# Altium PCB PCB1.PcbDoc
Units mm, origin at the board's own origin, x right, y up, seen from the top; angles counter-clockwise.
Board outline 169.9 x 91.7 mm, 2 copper layers (Top Layer, Bottom Layer); 33 components, 31 nets, 186 pads, 0 vias.
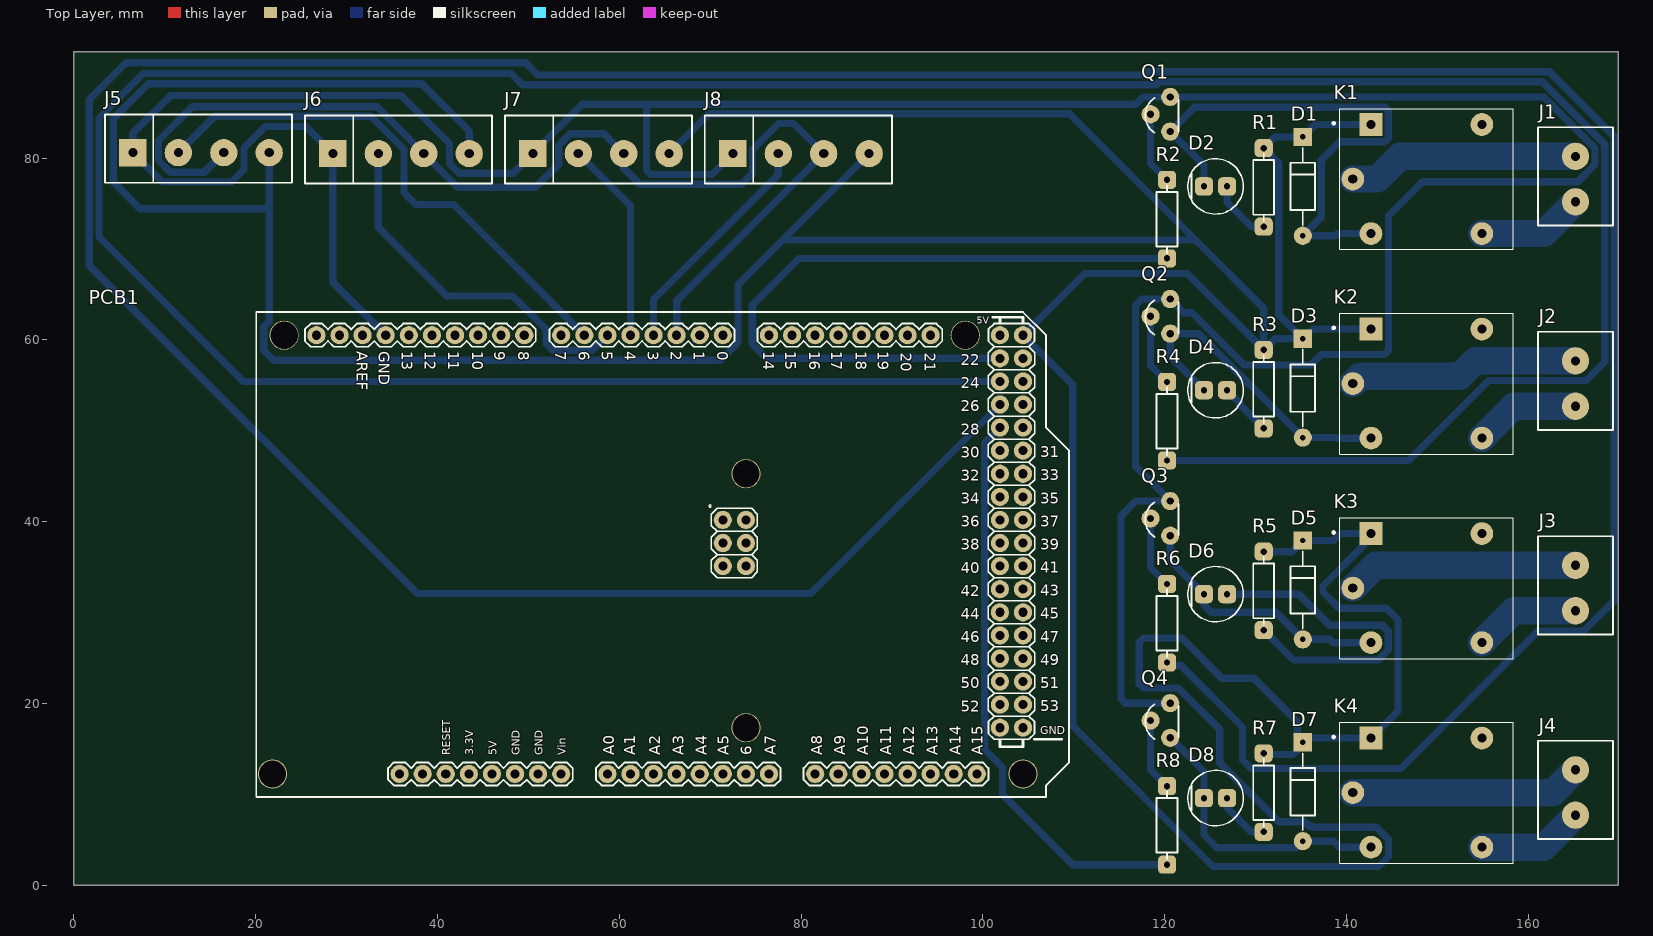
[diagram p0: Top Layer view]
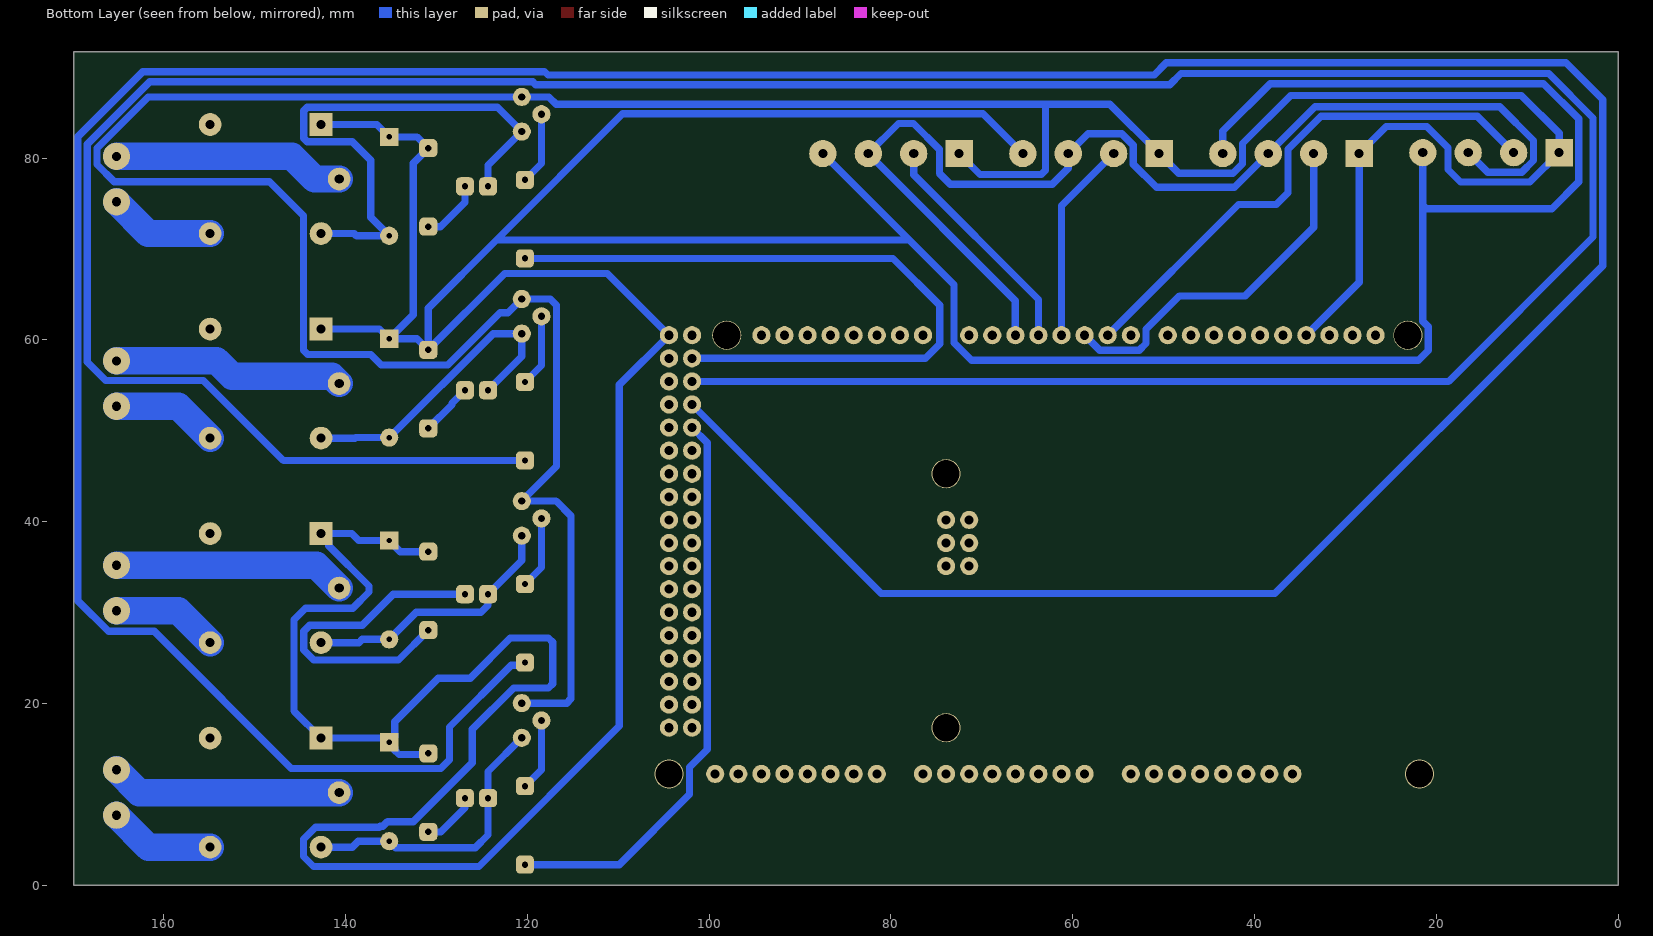
[diagram p1: Bottom Layer view, seen from below]

## Layer stack, top to bottom
Top Solder: solder mask 0.0102, Solder Resist, Dk 3.5
Top Layer: signal copper 0.0356
Dielectric 1: dielectric 0.32, FR-4, Dk 4.8
Bottom Layer: signal copper 0.0356
Bottom Solder: solder mask 0.0102, Solder Resist, Dk 3.5

## Board outline
0,0 0,91.7 169.9,91.7 169.9,0

## Design rules (kind name [scope] priority, off if disabled: settings)
Clearance [All] p1: gap=0.254 ignorepadtopadclearanceinfootprint=FALSE except(0: Arc-Hole Track-Hole SMDPad-Hole THPad-Hole Via-Hole Fill-Hole Poly-Hole Region-Hole Text-Hole)
PolygonConnect [All] p1: connectstyle=Relief reliefconductorwidth=0.254 reliefentries=4 polygonreliefangle="90 Angle" airgapwidth=0.254
RoutingVias [All] p1: holewidth=0.711 width=1.27 viastyle="Through Hole" minholewidth=0.711 minwidth=1.27 maxholewidth=0.711 maxwidth=1.27
SolderMaskExpansion [All] p1: expansion=0.102 istentingtop=FALSE
Width [All] p1: maxlimit=3 minlimit=0.8 preferedwidth=0.8 minimp=50.000000 maximp=50.000000 favimp=50.000000
30 further rules are at their usual default settings.

## Components (designator, comment, footprint, x,y, rotation, side; value= is the part's Value field where it differs from the comment)
D1 "1N4007" ON_Semiconductor_017AH_MFG 135.2,76.9 r270 top
D2 "Red Led 5mm" AVAGO_HLMP-3301_MFG 125.6,76.9 r0 top
D3 "1N4007" ON_Semiconductor_017AH_MFG 135.2,54.7 r270 top
D4 "Red Led 5mm" AVAGO_HLMP-3301_MFG 125.6,54.467 r0 top
D5 "1N4007" ON_Semiconductor_017AH_MFG 135.2,32.5 r270 top
D6 "Red Led 5mm" AVAGO_HLMP-3301_MFG 125.6,32.033 r0 top
D7 "1N4007" ON_Semiconductor_017AH_MFG 135.2,10.3 r270 top
D8 "Red Led 5mm" AVAGO_HLMP-3301_MFG 125.6,9.6 r0 top
J1 "TB 2pin" PHOENIX_CONTACT_1729018_0 165.2,77.985 r270 top
J2 "TB 2pin" PHOENIX_CONTACT_1729018_0 165.2,55.49 r270 top
J3 "TB 2pin" PHOENIX_CONTACT_1729018_0 165.2,32.995 r270 top
J4 "TB 2pin" PHOENIX_CONTACT_1729018_0 165.2,10.5 r270 top
J5 "TB 4pin" "TB 4PIN" 14,80.6 r90 top
J6 "TB 4pin" "TB 4PIN" 36,80.5 r90 top
J7 "TB 4pin" "TB 4PIN" 58,80.5 r90 top
J8 "TB 4pin" "TB 4PIN" 80,80.5 r90 top
K1 "Relay 5v" RELAY_SRD-05VDC-SL-C 148.8,77.7 r0 top
K2 "Relay 5v" RELAY_SRD-05VDC-SL-C 148.8,55.2 r0 top
K3 "Relay 5v" RELAY_SRD-05VDC-SL-C 148.8,32.7 r0 top
K4 "Relay 5v" RELAY_SRD-05VDC-SL-C 148.8,10.2 r0 top
PCB1 "Device for representing an Arduino Mega 2560 board with a footprint in an EAGLE design. Created by Dave Young for Element14. More EAGLE documentation at: http://www.element14.com/community/community/knode/cadsoft_eagle" ARDUINO_MEGA2560 7.9,9.72 r0 top
Q1 "Trans_Fairchild_BC547_eec" FAIRCHILD_BC547_0 119.6,84.7 r0 top
Q2 "Trans_Fairchild_BC547_eec" FAIRCHILD_BC547_0 119.6,62.471 r0 top
Q3 "Trans_Fairchild_BC547_eec" FAIRCHILD_BC547_0 119.6,40.242 r0 top
Q4 "Trans_Fairchild_BC547_eec" FAIRCHILD_BC547_0 119.6,18.013 r0 top
R1 "RES 1K OHM 1/4W" STACKPOLE_ELECTRONICS_INC._CF14JT1K00_0 130.9,76.782 r90 top value=1KΩ
R2 "RES 1K OHM 1/4W" STACKPOLE_ELECTRONICS_INC._CF14JT1K00_0 120.266,73.287 r90 top value=1KΩ
R3 "RES 1K OHM 1/4W" STACKPOLE_ELECTRONICS_INC._CF14JT1K00_0 130.9,54.588 r90 top value=1KΩ
R4 "RES 1K OHM 1/4W" STACKPOLE_ELECTRONICS_INC._CF14JT1K00_0 120.266,51.058 r90 top value=1KΩ
R5 "RES 1K OHM 1/4W" STACKPOLE_ELECTRONICS_INC._CF14JT1K00_0 130.9,32.394 r90 top value=1KΩ
R6 "RES 1K OHM 1/4W" STACKPOLE_ELECTRONICS_INC._CF14JT1K00_0 120.266,28.829 r90 top value=1KΩ
R7 "RES 1K OHM 1/4W" STACKPOLE_ELECTRONICS_INC._CF14JT1K00_0 130.9,10.2 r90 top value=1KΩ
R8 "RES 1K OHM 1/4W" STACKPOLE_ELECTRONICS_INC._CF14JT1K00_0 120.266,6.6 r90 top value=1KΩ

## Footprints (in the part's own frame and the unit in brackets; to place one, negate y for a bottom-side part, rotate by r counter-clockwise, add the part's x,y. Pads: shape width x height; smd on the part's side, far side on the other; paste and mask are expansions set on the pad)
ARDUINO_MEGA2560 [mm]
  round 2 hole 1: 0(63.5,50.8) 1(60.96,50.8) 2(58.42,50.8) 3(55.88,50.8) 3.3V(35.56,2.54) 4(53.34,50.8) 5(50.8,50.8) 5V(38.1,2.54) 5V.(93.98,50.8) 5V..(96.52,50.8) 6(48.26,50.8) 7(45.72,50.8) 8(41.656,50.8) 9(39.116,50.8) 10(36.576,50.8) 11(34.036,50.8) 12(31.496,50.8) 13(28.956,50.8) 14(68.58,50.8) 15(71.12,50.8) 16(73.66,50.8) 17(76.2,50.8) 18(78.74,50.8) 19(81.28,50.8) 20(83.82,50.8) 21(86.36,50.8) 22(93.98,48.26) 23(96.52,48.26) 24(93.98,45.72) 25(96.52,45.72) 26(93.98,43.18) 27(96.52,43.18) 28(93.98,40.64) 29(96.52,40.64) 30(93.98,38.1) 31(96.52,38.1) 32(93.98,35.56) 33(96.52,35.56) 34(93.98,33.02) 35(96.52,33.02) 36(93.98,30.48) 37(96.52,30.48) 38(93.98,27.94) 39(96.52,27.94) 40(93.98,25.4) 41(96.52,25.4) 42(93.98,22.86) 43(96.52,22.86) 44(93.98,20.32) 45(96.52,20.32) 46(93.98,17.78) 47(96.52,17.78) 48(93.98,15.24) 49(96.52,15.24) 50(93.98,12.7) 51(96.52,12.7) 52(93.98,10.16) 53(96.52,10.16) +5V_(66.04,30.48) A0(50.8,2.54) A1(53.34,2.54) A2(55.88,2.54) A3(58.42,2.54) A4(60.96,2.54) A5(63.5,2.54) A6(66.04,2.54) A7(68.58,2.54) A8(73.66,2.54) A9(76.2,2.54) A10(78.74,2.54) A11(81.28,2.54) A12(83.82,2.54) A13(86.36,2.54) A14(88.9,2.54) A15(91.44,2.54) AREF(23.876,50.8) GND(26.416,50.8) GND.(43.18,2.54) GND..(40.64,2.54) GND...(93.98,7.62) GND....(96.52,7.62) GND__(66.04,25.4) I/OREF(30.48,2.54) MISO(63.5,30.48) MOSI(66.04,27.94) N/C(27.94,2.54) RESET(33.02,2.54) RESET.(63.5,25.4) SCK(63.5,27.94) SCL1(18.796,50.8) SDA1(21.336,50.8) VIN(45.72,2.54)
  round 3.2 hole 3: 1(13.97,2.54) 1(15.24,50.8) 1(66.04,7.62) 1(66.04,35.56) 1(90.17,50.8) 1(96.52,2.54)
  silkscreen extent 12.17,0 101.6,53.34, body extent -6.5,0.05 101.45,53.39, height 2.44
AVAGO_HLMP-3301_MFG [mm]
  rrect50% 2x2 hole 0.7 paste-1000 mask+0: 1(-1.27,0) 2(1.27,0)
  silkscreen extent -3.05,-3.05 3.05,3.05, body extent -3.15,-3.15 3.15,3.15, height 0.25
FAIRCHILD_BC547_0 [mm]
  round 2 hole 0.8 paste-1000 mask+0: 1(1.016,-1.778) 2(-1.143,0.127) 3(1.016,2.032)
  silkscreen extent -1.74,-1.9 1.93,1.9, body extent -2.03,-2.51 2.03,2.52, height 0.25
ON_Semiconductor_017AH_MFG [mm]
  rect 2x2 hole 0.6 paste-1000 mask+0: 1(-5.438,0)
  round 2 hole 0.6 paste-1000 mask+0: 2(5.438,0)
  silkscreen extent -4.24,-1.36 4.24,1.36, body extent -6.34,-1.46 6.34,1.46, height 0.25
PHOENIX_CONTACT_1729018_0 [mm]
  round 3 hole 1 paste-1000 mask+0: 1(-2.215,0) 2(2.785,0)
  silkscreen extent -5.41,-4.12 5.41,4.12, body extent -5.51,-4.23 5.51,4.23, height 0.25
RELAY_SRD-05VDC-SL-C [mm]
  rect 2.5x2.5 hole 1: A1(-6.1,6)
  round 2.5 hole 1: A2(-6.1,-6) COM(-8.1,0) NC(6.1,6) NO(6.1,-6)
  silkscreen extent -10.3,-7.75 9.55,7.75, body extent -10.01,-7.51 8.99,7.49, height 16.15
STACKPOLE_ELECTRONICS_INC._CF14JT1K00_0 [mm]
  rrect50% 2x2 hole 0.7 paste-1000 mask+0: 1(-4.318,0) 2(4.318,0)
  silkscreen extent -3.73,-1.15 3.73,1.15, body extent -5.53,-1.4 5.53,1.4, height 0.25
"TB 4PIN" [mm]
  rect 3x3 hole 1 paste-1000 mask+0: 1(0,7.5)
  round 3 hole 1 paste-1000 mask+0: 2(0,2.5) 3(0,-2.5) 4(0,-7.5)
  silkscreen extent -3.3,-10 4.2,10.58, body extent -3.46,-10.23 4.37,10.8, height 0.25

## Part data
J5 J6 J7 J8: Digikey Part Number=A97998-ND, Manufacturer=TE, Mouser Part Number=571-1776244-4, Package=CONN_TERMINAL, Part Number=1776244-4, Temperature="-55°C to +105°C", Temperature Range High=+105°C, Temperature Range Low=-55°C, Voltage=300V, ComponentLink1Description=Upverter, ComponentLink1URL=https://upverter.com/upn/revision/7168c46e86f31eea/, ComponentLink2Description=Datasheet, ComponentLink2URL=http://www.te.com/commerce/DocumentDelivery/DDEController?Action=srchrtrv&DocNm=1776244&DocType=Customer+Drawing&DocLang=English, Digikey Description="CONN TERM BLOCK 4POS SIDE ENTRY 5MM", helpURL=https://upverter.com/upn/revision/7168c46e86f31eea/, Ipc Land Pattern Name=HDRV4W64P500_1X4_2032X64X457, Is Female=yes, Lead Free=yes, Price=0.895477914348, RoHS=TRUE, Supplier 1=Digi-Key, Supplier 2=Mouser, Supplier Part Number 1=A97998-ND, Supplier Part Number 2=571-1776244-4
K1 K2 K3 K4: "5V Trigger Relay Module For Arduino And Raspberry Pi 5V Trigger Relay Module For Arduino And Raspberry Pi", Package=None, Availability=Unavailable, MF="Songle Relay", MP=SRD-05VDC-SL-C, Price=None, SnapEDA_Link=https://www.snapeda.com/parts/SRD-05VDC-SL-C/Songle%20Relay/view-part/1029484/?ref=snap
PCB1: library part ARDUINO_MEGA2560
Q1 Q2 Q3 Q4: "TRANS NPN 45V 0.1A TO-92", Digikey Part Number=BC547-ND, Manufacturer=Fairchild, Mouser Part Number=512-BC547, Package=TO-92, Part Number=BC547, Power=500mW, Temperature="-65°C to +150°C", Temperature Range High=+150°C, Temperature Range Low=-65°C, ComponentLink1Description=Upverter, ComponentLink1URL=https://upverter.com/upn/revision/b6c8bf2a31a37ee3/, ComponentLink2Description=Datasheet, ComponentLink2URL=https://upverter.com/datasheet/00a4bcea94b7f6a06c7169869aec7b7ac700d7c3.pdf, Digikey Description="TRANS NPN 45V 0.1A TO-92", helpURL=https://upverter.com/upn/revision/b6c8bf2a31a37ee3/, Ipc Land Pattern Name=TO-92, Lead Free=yes, RoHS=TRUE, Supplier 1=Digi-Key, Supplier 2=Mouser, Supplier Part Number 1=BC547-ND, Supplier Part Number 2=512-BC547
R1 R3 R5 R7: "RES 1K OHM 1/4W 5% CARBON FILM", Digikey Part Number=CF14JT1K00CT-ND, Manufacturer="Stackpole Electronics Inc.", Package=Axial, Part Number=CF14JT1K00, Power=250mW, Resistance=1KΩ, Temperature="-55°C to +155°C", Temperature Coefficient="0/ -400ppm/°C", Temperature Range High=+155°C, Temperature Range Low=-55°C, Tolerance=±5%, ComponentLink1Description=Upverter, ComponentLink1URL=https://upverter.com/upn/revision/429fdfafcb133a34/, ComponentLink2Description=Datasheet, ComponentLink2URL=https://www.seielect.com/catalog/SEI-CF_CFM.pdf, Digikey Description="RES 1K OHM 1/4W 5% CARBON FILM", helpURL=https://upverter.com/upn/revision/429fdfafcb133a34/, Ipc Land Pattern Name=RESAD956W80L600D230, Lead Free=yes, Price=0.018380078196, RoHS=TRUE, Supplier 1=Digi-Key, Supplier 2=Mouser, Supplier Part Number 1=CF14JT1K00CT-ND
R2 R4 R6 R8: "RES 1K OHM 1/4W 5% CARBON FILM", Digikey Part Number=CF14JT1K00CT-ND, Manufacturer="Stackpole Electronics Inc.", Package=Axial, Part Number=CF14JT1K00, Power=250mW, Resistance=5.6K, Temperature="-55°C to +155°C", Temperature Coefficient="0/ -400ppm/°C", Temperature Range High=+155°C, Temperature Range Low=-55°C, Tolerance=±5%, ComponentLink1Description=Upverter, ComponentLink1URL=https://upverter.com/upn/revision/429fdfafcb133a34/, ComponentLink2Description=Datasheet, ComponentLink2URL=https://www.seielect.com/catalog/SEI-CF_CFM.pdf, Digikey Description="RES 1K OHM 1/4W 5% CARBON FILM", helpURL=https://upverter.com/upn/revision/429fdfafcb133a34/, Ipc Land Pattern Name=RESAD956W80L600D230, Lead Free=yes, Price=0.018380078196, RoHS=TRUE, Supplier 1=Digi-Key, Supplier 2=Mouser, Supplier Part Number 1=CF14JT1K00CT-ND

## Nets (pads, with @x,y where several pads share a name; then routed paths per layer and width w, separated by ;. In a path a pad name is that pad's centre, name@x,y a point inside that pad or via, vN(x,y) a via of type N, cw(c..) or ccw(c..) an arc to the next point about the centre after c; other vN are vias at no path point)
NetD1_1: D1.1 D3.1 D5.1 D7.1 J5.4 J6.4 J7.4 J8.4 K1.A1 K2.A1 K3.A1 K4.A1 PCB1.5V.. R1.2 R3.2 R5.2 R7.2 | length 591.7
  Bottom Layer w0.8: J5.4 21.5,74.84 ; J6.4 43.5,82.987 38.289,88.198 8.214,88.198 4.343,84.328 4.343,77.394 7.29,74.447 21.107,74.447 21.5,74.84 ; J7.4 69.874,84.874 109.526,84.874 123.4,71 ; J8.4 78,71 ; R7.2 131.018,14.4 134.131,14.4 134.6,14.869 134.6,15.138 135.431,15.969 134.969,15.969 134.6,16.338 134.6,18 129.802,22.798 126.3,22.798 121.898,27.2 117.669,27.2 117.2,26.731 117.2,22.186 117.669,21.717 121.514,21.717 126.06,17.17 126.06,13.502 132.562,7 135.401,7 135.901,6.5 136.2,6.5 136.3,6.4 143.308,6.4 144.628,5.08 144.628,3.175 143.535,2.083 125.324,2.083 109.88,17.526 109.88,55.06 PCB1.5V.. 111.21,67.31 122.496,67.31 R3.2 ; R5.2 133.974,36.712 D5.1 138.557,37.938 139.319,38.7 K3.A1 141.85,37.85 141.85,37.35 137.431,32.931 137.431,32.269 139.22,30.48 144.399,30.48 145.669,29.21 145.669,19.169 K4.A1 D7.1@135.662,16.2 ; K2.A1 136.262,61.2 D3.1 ; K1.A1 136.562,83.7 D1.1 132.138,82.338 R1.2 132.563,79.437 132.563,62.775 D3.1 ; 21.5,74.84 21.5,74.447 21.5,62.068 20.886,61.454 20.886,58.842 21.969,57.76 71.145,57.76 73.076,59.69 73.076,66.076 78,71 ; 78,71 123.4,71 ; 123.4,71 130.9,63.5 R3.2 ; R3.2 132.132,60.138 D3.1
NetD1_2: D1.2 D2.1 K1.A2 Q1.1 | length 61
  Bottom Layer w0.8: D2.1 124.33,79.208 Q1.1 123.298,85.604 144.221,85.604 144.604,85.221 144.604,82.179 144.221,81.796 141.75,81.796 139.251,81.796 137.236,79.781 137.236,73.498 D1.2 138.811,71.462 139.049,71.7 K1.A2
NetD2_2: D2.2 R1.1 | length 6.9
  Bottom Layer w0.8: D2.2 126.87,75.149 129.555,72.464 R1.1
NetD3_2: D3.2 D4.1 K2.A2 Q2.1 | length 34.6
  Bottom Layer w0.8: D4.1 120.616,58.181 Q2.1 123.769,60.693 D3.2 138.913,49.262 138.975,49.2 K2.A2
NetD4_2: D4.2 R3.1 | length 5.9
  Bottom Layer w0.8: D4.2 128.301,53.035 128.301,52.869 R3.1
NetD5_2: D5.2 D6.1 K3.A2 Q3.1 | length 29.3
  Bottom Layer w0.8: Q3.1 120.616,35.747 D6.1 124.33,30.813 125.095,30.048 132.214,30.048 D5.2 138.158,27.062 138.52,26.7 K3.A2
NetD6_2: D6.2 R5.1 | length 37
  Bottom Layer w0.8: D6.2 134.743,32.033 138.172,28.604 143.94,28.604 144.604,27.94 144.604,25.884 143.51,24.79 134.186,24.79 R5.1
NetD7_2: D7.2 D8.1 K4.A2 Q4.1 | length 31.8
  Bottom Layer w0.8: Q4.1 124.33,12.521 D8.1 124.33,5.54 125.73,4.14 134.478,4.14 D7.2 138.608,4.862 139.27,4.2 K4.A2
NetD8_2: D8.2 R7.1 | length 6.2
  Bottom Layer w0.8: D8.2 126.87,8.527 129.515,5.882 R7.1
NetJ1_1: J1.1 K1.COM | length 25.5
  Bottom Layer w3: K1.COM 143.4,77.7 145.9,80.2 J1.1
NetJ1_2: J1.2 K1.NO | length 11.7
  Bottom Layer w3: K1.NO 161.7,71.7 J1.2
NetJ2_1: J2.1 K2.COM | length 25.5
  Bottom Layer w3: K2.COM 141.5,56 152.489,56 154.189,57.7 165.195,57.7 J2.1
NetJ2_2: J2.2 K2.NO | length 11.8
  Bottom Layer w3: K2.NO 158.405,52.705 J2.2
NetJ3_1: J3.1 K3.COM | length 25.5
  Bottom Layer w3: K3.COM 143.21,35.21 J3.1
NetJ3_2: J3.2 K3.NO | length 11.8
  Bottom Layer w3: K3.NO 158.41,30.21 J3.2
NetJ4_1: J4.1 K4.COM | length 25.5
  Bottom Layer w3: K4.COM 162.685,10.2 J4.1
NetJ4_2: J4.2 K4.NO | length 11.8
  Bottom Layer w3: K4.NO 161.685,4.2 J4.2
NetJ5_1: J5.1 J6.1 J7.1 J8.1 PCB1.GND Q1.3 Q2.3 Q3.3 Q4.3 | length 372.6
  Bottom Layer w0.8: PCB1.GND 28.5,66.336 J6.1 25.51,83.49 21.057,83.49 18.72,81.153 18.72,78.74 17.348,77.368 9.732,77.368 J5.1 6.5,82.725 10.675,86.9 36.025,86.9 41.326,81.599 41.326,79.375 42.367,78.334 48.334,78.334 J7.1 55.928,85.928 63,85.928 ; J8.1 70.206,78.206 63.469,78.206 63,78.675 63,85.928 ; Q4.3 115.683,20.045 115.214,20.513 115.214,40.648 116.84,42.274 Q3.3 116.789,46.101 116.789,63.817 117.475,64.503 Q2.3 122.127,62.992 123.012,62.992 128.752,57.252 136.081,57.252 137.228,58.4 144.159,58.4 144.628,58.869 144.628,73.66 148.368,77.4 165.446,77.4 167.354,79.308 167.354,81.092 161.714,86.732 Q1.3 117.644,86.732 116.84,85.928 63,85.928
NetJ5_2: J5.2 PCB1.6 | length 59.1
  Bottom Layer w0.8: J5.2 15.497,84.597 32.701,84.597 36.322,80.976 36.322,76.2 37.617,74.905 41.775,74.905 PCB1.6
NetJ5_3: J5.3 J6.3 J7.3 J8.3 PCB1.2 | length 128.5
  Bottom Layer w0.8: J5.3 14.346,78.446 10.608,78.446 9.322,79.732 9.322,81.94 13.032,85.651 33.349,85.651 J6.3 42.216,76.784 50.8,76.784 53.34,79.324 53.34,81.407 54.61,82.677 58.323,82.677 J7.3 60.5,78.895 62.255,77.14 73.482,77.14 74.676,78.334 74.676,80.976 77.52,83.82 79.18,83.82 J8.3 66.32,64.32 PCB1.2
NetJ6_2: J6.2 PCB1.5 | length 40.5
  Bottom Layer w0.8: J6.2 33.5,72.39 41.044,64.846 48.26,64.846 51.943,61.163 51.943,59.614 52.705,58.852 57.032,58.852 PCB1.5
NetJ7_2: J7.2 PCB1.4 | length 22.4
  Bottom Layer w0.8: J7.2 61.24,74.76 PCB1.4
NetJ8_2: J8.2 PCB1.3 | length 25.7
  Bottom Layer w0.8: PCB1.3 63.78,64.44 77.5,78.16 J8.2
NetPCB1_22: PCB1.22 R2.1 | length 79.9
  Bottom Layer w0.8: PCB1.22 76.2,57.98 74.635,59.545 74.635,63.815 79.79,68.969 R2.1
NetPCB1_24: PCB1.24 R4.1 | length 366.5
  Bottom Layer w0.8: PCB1.24 18.658,55.44 2.765,71.333 2.765,84.411 7.654,89.3 48.107,89.3 49.32,88.087 119.101,88.087 119.405,88.392 161.545,88.392 168.408,81.529 168.408,57.569 166.385,55.546 155.647,55.546 146.842,46.74 R4.1
NetPCB1_26: PCB1.26 R6.1 | length 429.9
  Bottom Layer w0.8: PCB1.26 81.086,32.106 37.775,32.106 1.711,68.17 1.711,86.443 5.749,90.481 49.707,90.481 51.047,89.141 117.741,89.141 118.106,89.507 162.31,89.507 169.462,82.354 169.462,31.311 166.091,27.94 161.061,27.94 145.974,12.852 129.54,12.852 128.575,13.818 128.575,17.425 121.78,24.22 120.557,24.22 R6.1
NetPCB1_28: PCB1.28 R8.1 | length 63.2
  Bottom Layer w0.8: PCB1.28 100.203,48.683 100.203,14.935 102.159,12.979 102.159,10.008 109.884,2.282 R8.1
NetQ1_2: Q1.2 R2.2 | length 8
  Bottom Layer w0.8: Q1.2 118.457,79.414 R2.2
NetQ2_2: Q2.2 R4.2 | length 8
  Bottom Layer w0.8: Q2.2 118.457,57.185 R4.2
NetQ3_2: Q3.2 R6.2 | length 8
  Bottom Layer w0.8: Q3.2 118.457,34.956 R6.2
NetQ4_2: Q4.2 R8.2 | length 8
  Bottom Layer w0.8: Q4.2 118.457,12.727 R8.2
pads on no net: K1.NC K2.NC K3.NC K4.NC PCB1.0 PCB1.1 PCB1.3.3V PCB1.5V PCB1.5V. PCB1.7 PCB1.8 PCB1.9 PCB1.10 PCB1.11 PCB1.12 PCB1.13 PCB1.14 PCB1.15 PCB1.16 PCB1.17 PCB1.18 PCB1.19 PCB1.20 PCB1.21 PCB1.23 PCB1.25 PCB1.27 PCB1.29 PCB1.30 PCB1.31 PCB1.32 PCB1.33 PCB1.34 PCB1.35 PCB1.36 PCB1.37 PCB1.38 PCB1.39 PCB1.40 PCB1.41 PCB1.42 PCB1.43 PCB1.44 PCB1.45 PCB1.46 PCB1.47 PCB1.48 PCB1.49 PCB1.50 PCB1.51 PCB1.52 PCB1.53 PCB1.+5V_ PCB1.A0 PCB1.A1 PCB1.A2 PCB1.A3 PCB1.A4 PCB1.A5 PCB1.A6 PCB1.A7 PCB1.A8 PCB1.A9 PCB1.A10 PCB1.A11 PCB1.A12 PCB1.A13 PCB1.A14 PCB1.A15 PCB1.AREF PCB1.GND. PCB1.GND.. PCB1.GND... PCB1.GND.... PCB1.GND__ PCB1.I/OREF PCB1.MISO PCB1.MOSI PCB1.N/C PCB1.RESET PCB1.RESET. PCB1.SCK PCB1.SCL1 PCB1.SDA1 PCB1.VIN

## Text inside footprints (layer, text, board x,y; h text height)
PCB1: Top Overlay "5V" at 99.34,61.79 h0.76; Top Overlay "AREF" at 31.141,58.742 h1.21 r270; Top Overlay "GND" at 33.554,58.742 h1.21 r270; Top Overlay "Vin" at 54.128,14.317 h0.86 r90; Top Overlay "GND" at 51.588,14.317 h0.86 r90; Top Overlay "GND" at 49.048,14.317 h0.86 r90; Top Overlay "5V" at 46.508,14.317 h0.86 r90; Top Overlay "3.3V" at 43.968,14.317 h0.86 r90; Top Overlay "RESET" at 41.428,14.317 h0.86 r90; Top Overlay "GND" at 106.325,16.603 h0.86; Top Overlay "A15" at 99.975,14.317 h1.21 r90; Top Overlay "A14" at 97.562,14.317 h1.21 r90; Top Overlay "A13" at 95.022,14.317 h1.21 r90; Top Overlay "A12" at 92.482,14.317 h1.21 r90; Top Overlay "A11" at 89.942,14.317 h1.21 r90; Top Overlay "A10" at 87.402,14.317 h1.21 r90; Top Overlay "A9" at 84.862,14.317 h1.21 r90; Top Overlay "A8" at 82.322,14.317 h1.21 r90; Top Overlay "A7" at 77.242,14.317 h1.21 r90; Top Overlay "6" at 74.575,14.317 h1.21 r90; Top Overlay "A5" at 72.035,14.317 h1.21 r90; Top Overlay "A4" at 69.622,14.317 h1.21 r90; Top Overlay "A3" at 67.082,14.317 h1.21 r90; Top Overlay "A2" at 64.542,14.317 h1.21 r90; Top Overlay "A1" at 61.748,14.317 h1.21 r90; Top Overlay "A0" at 59.462,14.317 h1.21 r90; Top Overlay "53" at 106.325,19.143 h1.21; Top Overlay "51" at 106.325,21.683 h1.21; Top Overlay "49" at 106.325,24.223 h1.21; Top Overlay "47" at 106.325,26.763 h1.21; Top Overlay "45" at 106.325,29.303 h1.21; Top Overlay "43" at 106.325,31.843 h1.21; Top Overlay "41" at 106.325,34.383 h1.21; Top Overlay "39" at 106.325,36.923 h1.21; Top Overlay "37" at 106.325,39.463 h1.21; Top Overlay "35" at 106.325,42.003 h1.21; Top Overlay "33" at 106.325,44.543 h1.21; Top Overlay "31" at 106.325,47.083 h1.21; Top Overlay "52" at 97.587,19.118 h1.21; Top Overlay "48" at 97.587,24.198 h1.21; Top Overlay "50" at 97.587,21.658 h1.21; Top Overlay "46" at 97.587,26.738 h1.21; Top Overlay "44" at 97.587,29.278 h1.21; Top Overlay "42" at 97.587,31.818 h1.21; Top Overlay "40" at 97.587,34.358 h1.21; Top Overlay "38" at 97.587,36.898 h1.21; Top Overlay "36" at 97.587,39.438 h1.21; Top Overlay "34" at 97.587,41.978 h1.21; Top Overlay "32" at 97.587,44.518 h1.21; Top Overlay "30" at 97.587,47.058 h1.21; Top Overlay "28" at 97.587,49.598 h1.21; Top Overlay "26" at 97.587,52.138 h1.21; Top Overlay "24" at 97.587,54.678 h1.21; Top Overlay "22" at 97.587,57.218 h1.21; Top Overlay "21" at 93.625,58.615 h1.21 r270; Top Overlay "20" at 90.958,58.615 h1.21 r270; Top Overlay "19" at 88.418,58.742 h1.21 r270; Top Overlay "18" at 86.005,58.742 h1.21 r270; Top Overlay "17" at 83.338,58.742 h1.21 r270; Top Overlay "16" at 80.925,58.742 h1.21 r270; Top Overlay "15" at 78.258,58.742 h1.21 r270; Top Overlay "14" at 75.845,58.742 h1.21 r270; Top Overlay "13" at 36.094,58.742 h1.21 r270; Top Overlay "12" at 38.634,58.742 h1.21 r270; Top Overlay "11" at 41.174,58.742 h1.21 r270; Top Overlay "10" at 43.841,58.742 h1.21 r270; Top Overlay "9" at 46.254,58.742 h1.21 r270; Top Overlay "8" at 48.921,58.742 h1.21 r270; Top Overlay "7" at 52.985,58.742 h1.21 r270; Top Overlay "6" at 55.525,58.742 h1.21 r270; Top Overlay "5" at 58.065,58.742 h1.21 r270; Top Overlay "4" at 60.605,58.742 h1.21 r270; Top Overlay "3" at 63.145,58.742 h1.21 r270; Top Overlay "2" at 65.685,58.742 h1.21 r270; Top Overlay "1" at 68.225,58.742 h1.21 r270; Top Overlay "0" at 70.765,58.742 h1.21 r270